# Altium PCB cyber60-alps-b2.PcbDoc (part 4 of 4)
Units mm, origin at the board's own origin, x right, y up, seen from the top; angles counter-clockwise.
Board outline 284.7 x 94.21 mm, 2 copper layers (Component Side, Bottom Layer), stack 1.571 mm thick; 225 components, 138 nets, 766 pads, 291 vias.
Unrouted connection lines stored in the file: 72.
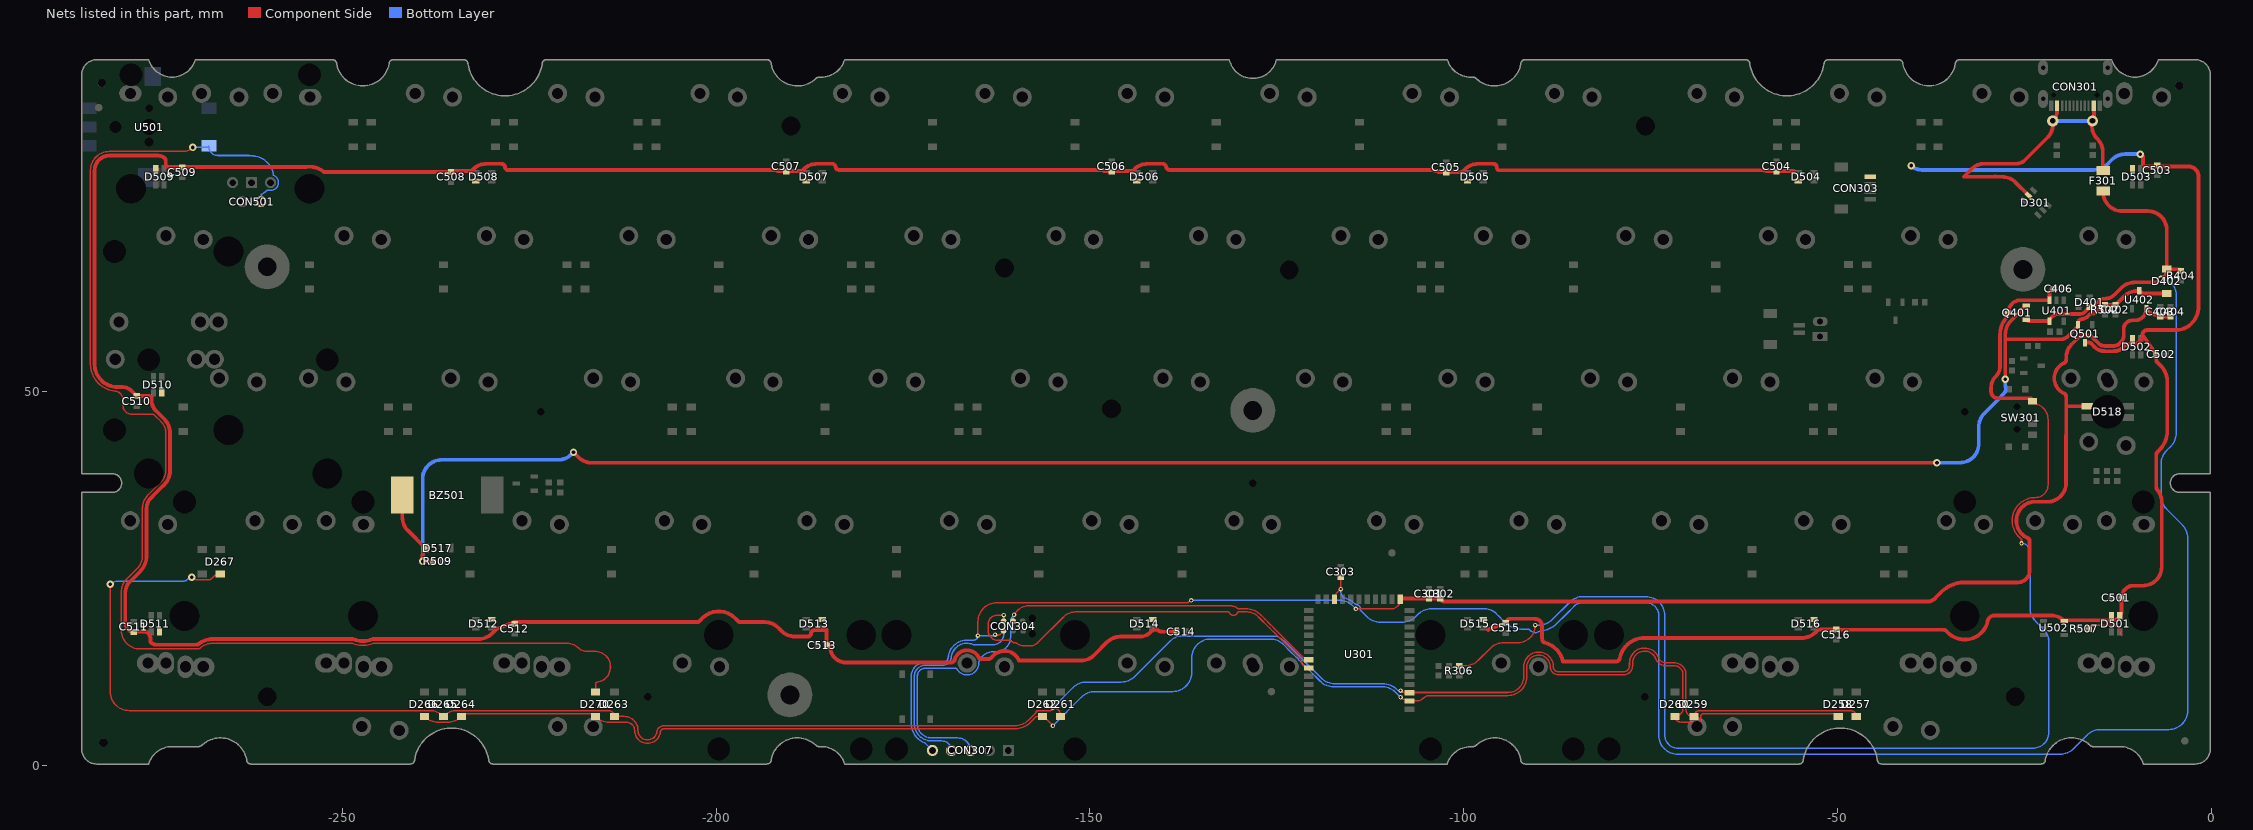
[diagram p4: the nets of this part, all layers, seen from the top]

## Via types
v1: diameter 1, hole 0.5, Component Side to Bottom Layer, tented both sides, 172 vias
v2: diameter 0.6, hole 0.3, Component Side to Bottom Layer, tented both sides, 113 vias
v3: diameter 1.5, hole 0.8, Component Side to Bottom Layer, tented both sides, 4 vias
v4: diameter 1.5, hole 0.75, Component Side to Bottom Layer, tented both sides, 2 vias

## Nets (pads, with @x,y where several pads share a name; then routed paths per layer and width w, separated by ;. In a path a pad name is that pad's centre, name@x,y a point inside that pad or via, vN(x,y) a via of type N, cw(c..) or ccw(c..) an arc to the next point about the centre after c; other vN are vias at no path point) (continued)
P1.10: D257.2 D259.2 D261.2 D263.2 D265.2 D267.2 U301.3 | length 292.7
  Component Side w0.203: v1(-281.051,24.257) -281.051,9.902 ccw(c-278.511,9.902) -278.511,7.362 -238.308,7.362 cw(c-238.308,4.822) -236.512,6.618 D265.2@-236.474,6.58 -236.414,6.64 cw(c-234.671,4.897) -234.671,7.362 -214.396,7.362 cw(c-214.396,6.58) D263.2@-213.614,6.58 -212.315,6.58 cw(c-212.315,4.715) -210.45,4.715 ccw(c-209.169,4.715) -207.916,4.449 cw(c-207.031,4.449) -207.889,4.666 cw(c-207.031,4.449) -207.031,5.334 -160.027,5.334 ccw(c-160.027,7.874) -158.231,6.078 -157.292,7.017 ccw(c-157.436,7.16) -157.274,7.038 ccw(c-157.436,7.16) -157.239,7.11 cw(c-156.947,7.035) -157.019,7.328 ccw(c-157.068,7.525) -156.953,7.358 -156.948,7.361 -155.326,7.361 ccw(c-155.326,7.747) v2(-154.94,7.747) cw(c-154.94,6.731) -153.924,6.731 D261.2@-153.924,6.58 ; v1(-270.117,25.196) ccw(c-269.278,26.035) -269.413,24.856 ccw(c-269.278,26.035) -269.278,24.848 -267.97,24.848 ccw(c-267.97,25.662) -267.395,25.086 -267.081,25.4 cw(c-266.526,24.845) -266.526,25.63 D267.2@-266.319,25.63 ; v2(-108.458,10.033) ccw(c-107.775,10.716) -107.775,9.75 U301.3@-107.25,9.75 ; U301.3@-107.25,9.779 -94.107,9.779 ccw(c-94.107,11.916) -92.337,10.718 ccw(c-94.107,11.916) -91.97,11.916 -91.97,13.335 cw(c-90.932,13.335) -91.917,13.662 ccw(c-92.11,13.726) -91.913,13.678 cw(c-89.993,13.215) -91.013,14.906 cw(c-89.993,13.215) -88.393,14.372 cw(c-89.993,13.215) -88.018,13.207 ccw(c-87.371,13.208) -87.966,12.954 ccw(c-87.371,13.208) -87.371,12.561 -78.604,12.561 ccw(c-78.604,13.335) -77.962,12.903 ccw(c-78.604,13.335) -77.83,13.335 -77.83,13.715 cw(c-75.819,13.715) -77.733,14.332 ; -77.427,14.922 ccw(c-75.819,13.715) -77.733,14.332 ; D257.2@-47.498,6.58 ccw(c-48.28,6.58) -48.28,7.362 -68.433,7.362 ccw(c-68.433,6.58) D259.2@-69.215,6.58 -69.37,6.58 cw(c-69.37,7.492) -70.282,7.492 -70.282,12.192 ccw(c-71.857,12.192) -71.857,13.767 -72.989,13.767 cw(c-72.991,14.776) -73.935,14.419 ccw(c-75.819,13.715) -77.733,14.333 cw(c-77.926,14.396) -77.733,14.332
  Bottom Layer w0.203: v1(-281.051,24.257) cw(c-280.079,23.285) -280.781,24.467 cw(c-280.079,23.285) -280.079,24.66 -275.96,24.66 cw(c-275.959,24.457) -275.954,24.66 ccw(c-275.85,28.265) -275.746,24.66 cw(c-275.741,24.457) -275.74,24.66 -271.302,24.66 ccw(c-271.302,25.511) -270.629,24.989 ccw(c-271.108,25.362) v1@-270.568,25.085 ; v2(-154.94,7.747) -152.255,10.432 cw(c-150.459,8.636) -150.459,11.176 -145.806,11.176 ccw(c-145.806,13.716) -144.01,11.92 -143.712,12.217 ccw(c-144.999,13.715) -143.517,12.411 cw(c-143.364,12.277) -143.508,12.42 -139.221,16.707 cw(c-137.711,15.196) -137.711,17.332 -125.565,17.332 cw(c-125.565,15.196) -124.416,16.997 cw(c-124.526,16.826) -124.333,16.891 ccw(c-124.18,17.025) -124.291,16.854 cw(c-125.899,14.389) -124.113,16.729 ccw(c-123.99,16.891) -124.092,16.715 cw(c-124.395,16.19) -123.975,16.627 cw(c-125.732,14.792) -123.934,16.587 -122.914,15.567 -122.534,15.186 -122.164,14.817 ccw(c-122.02,14.96) -122.142,14.797 cw(c-123.323,13.215) -121.741,14.397 ccw(c-121.578,14.518) -121.722,14.375 -119.035,11.688 ccw(c-117.239,13.484) -117.239,10.944 -110.843,10.944 cw(c-110.843,8.156) -108.871,10.127 -108.836,10.092 ccw(c-108.693,10.236) -108.693,10.033 v2(-108.458,10.033)
P1.11: D258.2 D260.2 D262.2 D264.2 D266.2 D270.2 U301.2 | length 221.4
  Component Side w0.203: D266.2@-239.014,6.58 -238.976,6.542 ccw(c-237.18,8.338) -237.18,5.798 -235.895,5.798 ccw(c-235.895,8.338) -234.099,6.542 D264.2@-234.061,6.58 cw(c-233.402,6.58) -234.01,6.835 cw(c-233.823,6.756) -233.822,6.959 -216.609,6.959 cw(c-216.609,6.542) -216.192,6.542 D270.2@-216.154,6.58 -216.116,6.542 ccw(c-214.32,8.338) -215.568,6.126 ccw(c-214.32,8.338) -214.32,5.798 -211.987,5.798 cw(c-211.987,4.715) -210.904,4.715 ccw(c-209.169,4.715) -207.454,4.455 cw(c-206.977,4.455) -207.44,4.566 cw(c-206.977,4.455) -206.977,4.931 -160.027,4.931 ccw(c-160.027,7.874) -159.215,5.045 -159.212,5.046 ccw(c-160.027,7.874) -157.945,5.794 -157.232,6.506 cw(c-157.089,6.363) -157.11,6.565 cw(c-156.833,4.04) -156.833,6.58 D262.2@-156.337,6.58 -156.182,6.58 v2(-154.94,5.338) ; -207.434,4.571 -207.434,4.59 ; v2(-108.458,9.144) ccw(c-107.265,10.337) -107.265,8.65 -106.296,8.65 ccw(c-106.296,9.903) -105.41,9.017 cw(c-104.544,8.151) -104.544,9.376 -94.107,9.376 ccw(c-94.107,11.916) -91.567,11.916 -91.567,13.335 cw(c-90.932,13.335) -91.531,13.547 ccw(c-91.722,13.614) -91.524,13.569 cw(c-89.993,13.215) -89.834,14.778 cw(c-89.993,13.215) -88.421,13.208 ccw(c-87.371,13.208) -87.511,12.168 ccw(c-87.371,13.208) -87.371,12.158 -78.604,12.158 ccw(c-78.604,13.335) -77.678,12.609 ccw(c-78.604,13.335) -77.427,13.335 -77.427,13.715 cw(c-75.819,13.715) -77.35,14.207 cw(c-75.819,13.715) -74.313,14.277 ccw(c-72.991,14.776) -73.312,13.401 cw(c-73.359,13.203) -73.28,13.39 cw(c-73.284,13.187) -73.247,13.387 ccw(c-72.991,14.776) -73.038,13.364 ccw(c-72.991,14.776) -72.991,13.364 -71.857,13.364 cw(c-71.857,12.192) -71.269,13.205 cw(c-71.857,12.192) -70.685,12.192 -70.685,7.65 cw(c-71.755,7.65) -71.587,6.593 cw(c-71.755,7.65) D260.2@-71.755,6.58 ccw(c-70.998,6.58) -70.998,5.823 -68.605,5.823 ccw(c-68.605,6.125) -68.303,6.125 -68.303,6.58 cw(c-67.925,6.58) -67.925,6.959 -50.166,6.959 cw(c-50.165,6.756) -49.993,6.863 cw(c-50.443,6.58) D258.2@-49.911,6.58 D258.2@-49.911,6.477
  Bottom Layer w0.203: v2(-154.94,5.338) -151.116,9.162 cw(c-149.32,7.366) -149.32,9.906 -138.938,9.906 ccw(c-138.938,12.446) -136.398,12.446 -136.398,14.389 cw(c-133.858,14.389) -133.858,16.929 -125.899,16.929 cw(c-125.899,14.389) -124.319,16.378 cw(c-124.395,16.19) -124.253,16.335 cw(c-125.732,14.792) -124.22,16.302 -124.105,16.188 -123.198,15.281 -122.427,14.51 ccw(c-122.283,14.653) -122.403,14.489 cw(c-123.323,13.215) -122.05,14.136 ccw(c-121.885,14.255) -122.029,14.111 -120.621,12.704 -119.202,11.285 ccw(c-117.406,13.081) -117.406,10.541 -110.843,10.541 cw(c-110.843,8.156) -109.157,9.842 v2(-108.458,9.144)
RAW: CON301.A4B9 CON301.B4A9 CON303.1 D301.5 F301.2 | length 40.2
  Component Side w0.5: D301.5@-24.467,76.283 -26.19,78.006 ccw(c-27.986,76.21) -27.986,78.75 cw(c-27.986,79.25) -28.013,78.751 -28.903,78.8 ccw(c-28.956,77.851) -28.972,78.801 -32.258,78.75 -33.125,78.75 -32.101,79.774 cw(c-30.305,77.978) -30.305,80.518 -26.035,80.518 ccw(c-26.035,82.051) -24.951,80.967 -21.953,83.965 ccw(c-23.749,85.761) -21.209,85.761 v4(-21.209,86.233) ccw(c-22.559,87.583) -20.65,87.583 CON301.B4A9@-20.65,88 ; v4@-16.002,85.634 ccw(c-13.462,85.634) -15.258,83.838 cw(c-17.033,82.063) -14.523,82.063 F301.2@-14.523,79.582 ; v4@-15.7,86.535 CON301.A4B9@-15.7,88
  Bottom Layer w0.5: v4(-21.209,86.233) v4@-16.002,86.233
  other v4: -15.9,86.233
ROT_SW_A1: CON501.1 D270.1 U501.1 | length 176.7
  Component Side w0.203: -280.257,50.077 cw(c-280.035,53.721) -280.655,50.123 cw(c-280.035,53.721) -282.092,50.704 cw(c-280.035,53.721) -283.131,51.786 cw(c-280.035,53.721) -283.686,53.721 -283.686,79.61 cw(c-281.146,79.61) -281.146,82.15 -271.275,82.15 ccw(c-271.275,83.95) v1(-270.002,82.677) ; -280.256,50.076 cw(c-280.269,49.874) -280.209,50.068 cw(c-280.574,48.886) -279.337,48.886 -279.337,48.197 ccw(c-278.13,48.197) -278.13,46.99 -275.336,46.99 cw(c-275.336,45.339) -275.315,46.99 cw(c-275.317,46.787) -275.173,46.93 -274.189,45.946 cw(c-274.333,45.802) -274.187,45.945 ; -274.187,45.944 cw(c-275.59,44.541) -273.76,45.308 cw(c-275.59,44.541) -273.606,44.541 -273.606,39.406 cw(c-275.59,39.406) -274.188,38.002 -275.989,36.201 ccw(c-274.193,34.405) -276.733,34.405 -276.733,28.103 cw(c-279.273,28.103) -277.477,26.307 -278.831,24.953 ccw(c-277.035,23.157) -279.575,23.157 -279.575,18.14 ccw(c-277.035,18.14) -277.035,15.6 -269.538,15.6 ccw(c-269.538,16.664) -268.882,15.827 ccw(c-269.538,16.664) -268.88,15.829 cw(c-267.311,13.831) -267.311,16.371 -248.717,16.371 cw(c-248.716,16.168) -248.643,16.358 ccw(c-247.242,20.01) -245.841,16.358 cw(c-245.768,16.168) -245.767,16.371 -219.945,16.371 cw(c-219.945,14.243) -218.44,15.748 ccw(c-217.369,16.819) -217.369,15.304 -216.107,15.304 -216.102,15.302 ccw(c-216.018,15.487) -216.034,15.285 cw(c-216.199,13.215) -215.93,11.156 ccw(c-215.903,10.955) -216.107,10.959 -216.107,9.897 cw(c-216.154,9.897) D270.1@-216.154,9.85
  Bottom Layer w0.203: v1(-270.002,82.677) -268.082,82.677 ccw(c-268.082,82.915) U501.1@-267.844,82.915 ccw(c-266.336,82.915) -267.839,82.794 ccw(c-266.649,82.794) -267.53,81.994 ccw(c-266.649,82.794) -266.65,81.604 ; -266.649,81.604 -262.488,81.604 cw(c-262.488,81.401) -262.467,81.603 -261.834,81.538 cw(c-262.128,78.61) -259.618,80.147 cw(c-262.128,78.61) -259.205,78.958 cw(c-259.588,77.978) -258.568,77.723 cw(c-259.588,77.978) -259.522,76.928 cw(c-259.588,77.978) -259.902,76.974 ccw(c-259.963,76.781) -260.02,76.976 -260.025,76.971 cw(c-262.105,79.053) -260.761,76.435 ccw(c-260.668,76.254) -260.858,76.327 CON501.1@-260.858,75.438
SWDCLK: CON304.4 CON307.3 U301.31 | length 78.2
  Component Side w0.203: CON304.4@-160.274,19.304 cw(c-158.18,19.304) -158.18,21.398 -131.312,21.398 cw(c-131.312,20.493) -130.942,21.319 ccw(c-130.858,21.504) -130.846,21.302 cw(c-130.81,20.701) -130.385,21.126 ccw(c-130.021,21.49) -130.191,21.005 ccw(c-130.123,21.196) -130.109,20.993 cw(c-130.068,20.388) -130.067,20.995 -129.208,20.995 cw(c-129.208,18.052) -128.874,20.976 ; -128.874,20.976 cw(c-129.208,18.052) -127.127,20.133 -126.585,19.592 -125.979,18.986 -125.449,18.455 cw(c-125.592,18.311) -125.447,18.454 -124.807,17.814 -121.422,14.428 ccw(c-120.75,15.1) U301.31@-120.75,14.15
  Bottom Layer w0.203: CON307.3@-165.989,2.032 ccw(c-167.662,2.032) -167.662,3.705 -171.196,3.705 cw(c-171.196,5.585) -173.076,5.585 -173.076,11.961 cw(c-172.02,11.961) -172.02,13.017 -167.961,13.017 cw(c-167.96,12.813) -167.785,12.917 ccw(c-166.431,13.715) -164.92,13.284 ccw(c-166.431,13.715) -164.86,13.736 cw(c-164.656,13.739) -164.853,13.792 cw(c-162.963,13.284) -162.963,15.24 -162.56,15.24 ccw(c-162.56,17.178) -160.622,17.178 -160.622,19.047 cw(c-159.001,19.047) v2(-160.147,20.193)
SWDIO: CON304.2 CON307.4 U301.32 | length 84.9
  Component Side w0.203: CON304.2@-161.544,19.304 -161.541,19.307 v2(-161.541,20.13) -162.407,20.13 ccw(c-162.407,18.923) -163.613,18.923 -163.613,18.071 ccw(c-162.306,18.071) -162.931,16.923 ccw(c-162.306,18.071) -162.596,16.797 ccw(c-162.306,18.071) -162.306,16.764 -160.683,16.764 cw(c-160.682,16.561) -160.515,16.676 ccw(c-160.02,17.018) -159.965,16.419 cw(c-159.946,16.217) -159.828,16.382 ccw(c-158.645,18.034) -158.645,16.002 -158.052,16.002 ccw(c-158.052,17.534) -156.969,16.451 -153.572,19.848 cw(c-151.776,18.052) -151.776,20.592 -131.553,20.592 ; -131.551,20.592 cw(c-131.552,20.388) -131.364,20.467 ccw(c-130.81,20.701) -131.236,20.276 ccw(c-130.81,20.701) -131.235,20.275 ccw(c-130.81,20.701) -130.81,20.099 ccw(c-130.81,20.701) -130.242,20.503 -130.211,20.533 cw(c-130.068,20.388) -130.067,20.592 -129.208,20.592 cw(c-129.208,18.052) -127.412,19.848 -125.981,18.418 -125.092,17.529 -122.171,14.608 -122.027,14.464 -121.762,14.198 cw(c-121.905,14.054) -121.702,14.054 -121.702,13.8 ccw(c-121.4,13.8) -121.68,13.688 ccw(c-121.4,13.8) -121.611,13.584 cw(c-121.753,13.439) -121.585,13.553 ccw(c-121.031,13.932) -121.505,13.458 ; -121.505,13.457 -121.344,13.296 ccw(c-120.75,13.89) U301.32@-120.75,13.05 ccw(c-121.079,13.05) U301.32@-120.847,13.283
  Bottom Layer w0.203: CON307.4@-168.529,2.032 ccw(c-169.799,2.032) -169.799,3.302 -171.196,3.302 cw(c-171.196,5.585) -173.479,5.585 -173.479,11.961 cw(c-172.02,11.961) -172.02,13.42 -169.709,13.42 ccw(c-169.709,14.604) -168.546,14.38 cw(c-166.471,14.295) -165.604,16.182 -162.941,16.182 ccw(c-162.941,17.582) -161.541,17.582 v2(-161.541,20.13)
UG_OUT: D501.4 R507.1 | length 5.3
  Component Side w0.203: R507.1@-16.368,18.288 cw(c-15.142,17.062) -15.142,18.796 -13.446,18.796 cw(c-13.446,17.36) -12.01,17.36
VBAT: C406.2 Q401.3 R306.1 SW301.1 U401.3 | length 178
  Component Side w0.203: R306.1@-100.584,13.35 -99.843,13.35 ccw(c-99.843,15.89) -98.047,14.094 -96.439,15.702 cw(c-94.643,13.906) -94.647,16.446 cw(c-94.643,13.906) -94.643,16.446 -92.774,16.446 ccw(c-92.774,18.796) v2(-90.424,18.796) ; v2(-25.4,29.718) -25.4,30.275 ccw(c-25.57,30.165) -25.446,30.325 cw(c-23.556,32.765) -25.982,30.857 cw(c-23.556,32.765) -26.615,33.174 cw(c-23.556,32.765) -24.938,35.524 cw(c-23.556,32.765) -23.537,35.851 ccw(c-23.537,37.544) -21.844,37.544 -21.844,46.246 ccw(c-24.076,46.246) -23.439,48.385 ccw(c-24.076,46.246) SW301.1@-24.076,48.478
  Component Side w0.5: SW301.1@-23.925,48.75 ccw(c-24.324,48.75) -24.324,49.149 -28.575,49.149 cw(c-28.575,50.038) -29.464,50.038 -29.464,50.546 cw(c-27.318,50.546) -28.835,52.064 -28.829,52.07 ccw(c-30.205,53.446) -28.259,53.446 -28.259,57.696 cw(c-25.019,57.696) -27.323,59.974 ccw(c-27.678,60.326) -27.178,60.328 Q401.3@-27.178,60.579 cw(c-25.503,60.579) -25.503,62.254 -21.689,62.254 cw(c-21.689,62.216) U401.3@-21.651,62.216 -21.651,63.2 cw(c-21.097,63.2) C406.2@-21.097,63.754
  Bottom Layer w0.203: v2(-90.424,18.796) -89.952,18.796 ccw(c-89.952,21.336) -88.156,19.54 -85.834,21.862 cw(c-84.038,20.066) -84.038,22.606 -75.648,22.606 cw(c-75.648,20.066) -73.108,20.066 -73.108,15.113 -73.108,12.562 -73.108,7.366 -73.108,4.064 ccw(c-71.374,4.064) -73.102,3.931 ccw(c-71.374,4.064) -72.73,2.984 ccw(c-71.374,4.064) -72.73,2.983 ccw(c-71.374,4.064) -71.374,2.33 -23.876,2.33 ccw(c-23.876,4.467) -23.027,2.506 ccw(c-23.876,4.467) -21.739,4.467 -21.739,16.502 ccw(c-24.265,16.502) -22.479,18.288 -23.513,19.322 cw(c-21.717,21.118) -24.257,21.118 -24.257,28.575 ccw(c-25.4,28.575) v2(-25.4,29.718)
VBUS: C303.2 D401.1 D402.1 F301.1 Q401.1 R404.1 U301.22 U401.4 | length 244.8
  Component Side w0.203: U301.22@-117.3,22.25 cw(c-116.018,22.25) -116.925,23.156 v2(-116.459,23.622) C303.2@-116.459,25.258
  Component Side w0.5: Q401.1@-24.778,59.629 ccw(c-24.384,60.023) -24.751,59.604 ccw(c-24.384,60.023) -24.384,59.466 U401.4@-21.651,59.466 -21.651,59.691 -21.288,60.054 cw(c-20.413,59.178) -20.413,60.416 -17.526,60.416 ccw(c-17.526,61.225) -16.954,60.653 -16.281,61.326 D401.1@-16.256,61.326 ccw(c-16.256,62.516) -15.414,61.675 -15.222,61.867 ccw(c-15.575,62.221) -15.088,62.11 cw(c-14.649,62.01) -14.96,62.336 cw(c-14.649,62.01) -14.649,62.46 -14.224,62.46 ccw(c-14.224,64.242) -12.964,62.982 -12.047,63.899 cw(c-10.251,62.103) -10.251,64.643 -7.731,64.643 ccw(c-7.731,66.405) D402.1@-5.969,66.405 ; U401.4@-21.676,59.437 U401.4@-21.651,59.412 ; F301.1@-14.478,76.882 -14.478,76.708 ccw(c-11.938,76.708) -11.938,74.168 -8.509,74.168 cw(c-8.509,71.628) -6.241,72.771 cw(c-8.509,71.628) -5.969,71.628 D402.1@-5.969,66.405 ; D402.1@-5.969,66.405 -4.602,66.405 ; -4.602,66.405 cw(c-4.602,65.644) R404.1@-4.192,66.285 ; -4.602,66.405 -4.312,66.405 R404.1@-4.192,66.285 ; R404.1@-4.192,66.285 cw(c-4.602,65.644) R404.1@-4.064,66.182 -4.089,66.182 R404.1@-4.192,66.285
  Bottom Layer w0.203: v2(-116.459,23.622) -116.459,23.353 ccw(c-115.286,23.353) -116.064,22.475 ccw(c-115.928,22.627) -115.973,22.429 cw(c-116.622,19.558) -115.287,22.181 cw(c-116.622,19.558) -115.286,22.181 cw(c-116.622,19.558) -115.136,22.098 cw(c-116.622,19.558) -115.135,22.098 cw(c-116.622,19.558) -114.542,21.64 -114.516,21.614 ccw(c-114.372,21.758) -114.386,21.555 cw(c-114.427,20.955) -113.828,20.896 ccw(c-113.626,20.876) -113.77,20.732 -112.958,19.921 ccw(c-111.162,21.717) -111.162,19.177 -108.24,19.177 ccw(c-108.24,21.717) -106.444,19.921 -106.132,20.233 cw(c-104.336,18.437) -104.336,20.977 -97.189,20.977 cw(c-97.189,18.84) -95.677,20.35 -95.258,19.931 -94.75,19.423 -94.45,19.124 ccw(c-92.373,21.209) -92.373,18.266 -91.385,18.266 cw(c-91.384,18.063) -91.222,18.186 ccw(c-90.424,18.796) -89.865,17.961 cw(c-89.752,17.792) -89.764,17.995 ccw(c-89.952,21.336) -87.587,18.969 -86.234,20.321 -85.263,21.293 cw(c-84.038,20.066) -84.038,21.8 -75.811,21.8 cw(c-75.811,19.26) -74.907,21.633 cw(c-75.648,20.066) -73.996,20.594 cw(c-75.648,20.066) -73.914,20.066 -73.914,4.064 ccw(c-71.374,4.064) -71.374,1.524 -20.229,1.524 ccw(c-20.229,4.064) -18.433,2.268 -16.619,4.082 cw(c-14.823,2.286) -14.823,4.826 -5.715,4.826 ccw(c-5.715,7.366) -3.175,7.366 -3.175,30.444 ccw(c-5.715,30.444) -3.919,32.24 -5.987,34.308 cw(c-4.191,36.104) -6.731,36.104 -6.731,40.35 cw(c-4.191,40.35) -5.987,42.146 -5.443,42.69 ccw(c-7.239,44.486) -4.699,44.486 -4.699,62.992 ccw(c-6.731,62.992) v1(-6.731,65.024)
VCC3V3: C301.2 C302.2 C403.2 C404.2 CON304.1 CON307.5 D518.4 U301.14 U402.2 | length 233.1
  Component Side w0.203: v2(-164.973,17.399) -164.973,19.261 cw(c-162.433,19.261) -162.433,21.801 -137.668,21.801 -136.96,21.801 ccw(c-136.96,22.004) -136.883,21.816 ccw(c-137.381,23.018) v2(-136.462,22.098) ; v2@-162.56,17.399 ccw(c-162.56,18.319) -162.194,17.475 ccw(c-162.56,18.319) -161.91,17.668 CON304.1@-161.544,18.034 ; v2(-114.427,20.955) -109.795,20.955 ccw(c-109.795,22.337) U301.14@-108.413,22.337 ; -19.431,44.196 ccw(c-19.407,44.196) -19.407,44.172
  Component Side w0.5: -19.431,44.196 -19.431,48.006 cw(c-19.372,48.006) -19.372,48.065 ; D518.4@-16.157,48.065 -19.372,48.065 ; -12.027,56.725 -12.32,56.432 cw(c-13.025,57.138) -13.025,56.14 -14.322,56.14 cw(c-14.322,57.179) -15.057,56.444 -15.819,57.206 ccw(c-16.613,56.412) -16.613,57.535 -17.166,57.535 ccw(c-17.166,57.085) -17.335,57.502 cw(c-17.524,57.965) -17.376,57.487 ccw(c-17.059,56.457) -17.822,57.219 -18.687,56.354 ccw(c-16.891,54.558) -19.431,54.558 -19.431,54.293 cw(c-19.931,54.291) -19.722,53.837 ccw(c-18.794,51.815) -19.722,49.793 cw(c-19.931,49.339) -19.431,49.337 -19.431,48.124 ccw(c-19.372,48.124) -19.372,48.065 ; -12.027,56.725 ccw(c-12.72,57.418) -11.74,57.418 -11.74,58.39 cw(c-11.29,58.39) -11.739,58.426 ccw(c-12.237,58.467) -11.738,58.437 cw(c-10.541,58.364) -11.631,58.863 cw(c-10.541,58.364) -10.541,59.563 -10.226,59.563 ccw(c-10.226,61.087) U402.2@-8.702,61.087 -8.383,60.768 ccw(c-6.995,62.156) -6.995,60.193 C403.2@-6.858,60.056 C404.2@-5.461,60.056
  Component Side w0.508: U301.14@-108.413,22.337 C301.2@-104.648,22.337 C302.2@-103.124,22.337 ccw(c-102.632,22.462) -102.632,21.954 -100.33,21.954 -37.889,21.954 ccw(c-37.889,23.132) -37.056,22.299 -37.053,22.302 ; -35.416,23.794 cw(c-32.943,19.931) -33.202,24.51 cw(c-32.943,19.931) -33.187,24.511 -25.892,24.511 ccw(c-25.892,26.092) -24.311,26.092 -24.311,30 ccw(c-24.819,30.001) -24.608,30.463 cw(c-23.556,32.765) -25.611,31.289 cw(c-23.556,32.765) -24.51,35.109 cw(c-23.556,32.765) -23.541,35.295 -22.096,35.288 -21.971,35.288 ccw(c-21.971,37.828) -19.431,37.828 -19.431,44.196 ; -34.502,24.242 ccw(c-32.994,20.01) -36.257,23.098 cw(c-36.626,23.447) -36.267,23.088 -36.713,22.642 ; -37.053,22.302 -36.713,22.642 ; -37.053,22.302 -36.713,22.642
  Bottom Layer w0.203: CON307.5@-171.069,2.032 -172.056,3.019 ccw(c-172.2,2.876) -172.129,3.066 cw(c-171.196,5.585) -172.747,3.392 cw(c-171.196,5.585) -173.882,5.585 -173.882,11.961 cw(c-172.02,11.961) -172.02,13.823 -169.709,13.823 ccw(c-169.709,14.604) -169.097,14.118 ccw(c-169.709,14.604) -168.952,14.41 ccw(c-169.149,14.461) -168.946,14.449 cw(c-166.471,14.295) -168.536,15.668 cw(c-166.471,14.295) -166.5,16.774 ; -166.5,16.774 cw(c-166.471,14.295) -166.442,16.774 -165.598,16.774 ccw(c-165.598,17.399) v2(-164.973,17.399) -162.814,17.399 v2(-162.687,17.526) ; v2(-136.462,22.098) -116.622,22.098 cw(c-116.622,19.558) -114.826,21.354 v2(-114.427,20.955)
VCC_EXT: C501.2 C502.2 C503.2 C504.2 C505.2 C506.2 C507.2 C508.2 C509.2 C510.2 C511.2 C512.2 C513.2 C514.2 C515.2 C516.2 D501.1 D502.1 D503.1 D504.1 D505.1 D506.1 D507.1 D508.1 D509.1 D510.1 D511.1 D512.1 D513.1 D514.1 D515.1 D516.1 Q501.3 U502.5 | length 667.5
  Component Side w0.508: C508.2@-235.458,79.39 C508.2@-235.851,79.39 ; -185.227,18.21 -185.227,18.127 ; -144.29,79.54 -147.066,79.54 -148.051,79.54 cw(c-148.051,80.048) -148.052,79.54 cw(c-148.051,80.048) -148.197,79.562 ccw(c-148.911,77.195) -148.911,79.667 -149.225,79.667 -183.525,79.667 cw(c-183.525,80.175) -184.027,80.104 ccw(c-184.477,80.04) -184.477,80.494 -186.501,80.494 ccw(c-186.501,77.954) -188.297,79.75 -188.507,79.54 -190.627,79.54 -191.712,79.54 cw(c-191.712,80.048) -191.714,79.54 cw(c-191.712,80.048) -191.866,79.564 ccw(c-192.531,77.471) -192.531,79.667 -227.973,79.667 cw(c-227.734,80.115) -228.24,80.075 ccw(c-228.693,80.04) -228.693,80.494 -230.717,80.494 ccw(c-230.717,77.954) -232.513,79.75 -232.723,79.54 -235.096,79.54 ccw(c-235.096,77.562) C508.2@-235.851,79.39 ; -144.08,79.75 cw(c-142.284,77.954) -142.284,80.494 -140.26,80.494 cw(c-140.26,80.04) -139.81,80.104 ccw(c-139.308,80.175) -139.308,79.667 -108.712,79.667 -104.428,79.667 cw(c-104.428,77.164) -103.641,79.54 cw(c-104.428,77.164) -103.327,79.412 ccw(c-103.104,79.868) -103.104,79.36 C505.2@-102.362,79.36 -100.508,79.36 ccw(c-100.508,79.975) -100.073,79.54 ; C514.2@-138.445,17.907 -140.278,17.907 cw(c-140.278,18.942) -141.01,18.21 ccw(c-141.01,16.892) -141.142,18.203 ccw(c-141.01,16.892) -141.942,17.824 cw(c-143.313,19.195) -143.313,17.256 -145.903,17.256 ccw(c-145.903,14.716) -147.683,16.528 ccw(c-145.903,14.716) -147.699,16.512 -149.421,14.79 cw(c-151.217,16.586) -151.217,14.046 -159.473,14.046 ccw(c-161.431,13.215) -161.216,15.331 ccw(c-161.431,13.215) -163.143,14.477 cw(c-163.552,14.779) -163.552,14.271 -164.469,14.271 cw(c-164.469,14.779) -164.915,14.537 ccw(c-166.431,13.715) -168.118,14.071 -168.19,13.982 cw(c-168.584,14.303) -168.584,13.795 -170.447,13.795 -182.651,13.795 cw(c-182.651,15.875) -184.705,15.548 cw(c-182.651,15.875) -184.721,15.675 ccw(c-185.227,15.627) C513.2@-185.151,16.129 cw(c-184.968,16.312) -185.227,16.312 -185.227,18.127 ; -99.863,79.75 cw(c-98.067,77.954) -98.067,80.494 -96.043,80.494 cw(c-96.043,80.04) -95.589,80.05 ccw(c-95.081,80.061) -95.367,79.642 -60.232,79.642 cw(c-60.232,77.164) -59.591,79.557 ccw(c-59.46,80.048) -59.462,79.54 ccw(c-59.46,80.048) -59.46,79.54 -58.166,79.54 -55.857,79.54 ; -96.726,18.146 cw(c-95.486,19.517) -96.793,18.21 C515.2@-94.361,19.065 cw(c-93.793,19.065) -93.793,19.633 -90.456,19.633 cw(c-90.456,19.611) -90.434,19.611 cw(c-90.434,18.712) -90.055,19.527 cw(c-90.434,18.712) -89.535,18.712 -89.535,17.303 ccw(c-87.088,17.303) -89.489,16.832 ccw(c-88.99,16.927) -89.123,16.436 cw(c-89.993,13.215) -87.088,14.856 cw(c-89.993,13.215) -86.732,13.923 -79.629,13.923 ccw(c-79.634,14.431) -79.134,14.338 cw(c-75.819,13.715) -78.958,14.95 ccw(c-79.43,15.138) -78.957,14.952 cw(c-75.819,13.715) -78.711,15.451 cw(c-75.819,13.715) -76.099,17.077 ; -76.098,17.077 cw(c-75.819,13.715) -75.558,17.078 ccw(c-75.519,17.585) -75.519,17.077 -56.261,17.077 -54.763,17.077 ccw(c-54.763,19.617) -52.966,17.821 -52.577,18.21 -50.165,18.202 -37.338,18.162 -35.802,18.162 cw(c-35.801,17.654) -35.412,17.982 ccw(c-32.994,20.01) -30.262,18.43 cw(c-29.822,18.176) -30.261,18.432 ; -30.652,17.895 ccw(c-32.994,20.01) -30.261,18.432 ; Q501.3@-16.891,56.585 -16.404,56.585 cw(c-16.404,56.077) -16.044,56.435 -15.555,55.946 ccw(c-14.322,57.179) -14.44,55.44 ccw(c-14.322,57.179) -14.322,55.436 -13.025,55.436 ccw(c-13.025,57.138) -12.909,55.44 ccw(c-13.025,57.138) -11.924,55.841 ccw(c-13.025,57.138) -11.822,55.935 -11.529,56.227 ccw(c-12.72,57.418) -11.436,56.329 cw(c-11.048,56) -11.376,56.388 -10.462,56.388 ccw(c-10.462,57.64) -9.21,57.64 ; v1(-9.525,81.788) cw(c-9.525,81.419) -9.156,81.419 -9.156,80.23 ccw(c-8.96,80.389) -8.96,80.137 -3.048,80.137 cw(c-3.048,78.819) -1.73,78.819 -1.73,61.341 cw(c-4.826,61.341) -2.908,58.911 cw(c-4.826,61.341) -4.826,58.245 -8.605,58.245 ccw(c-8.605,57.64) -9.21,57.64 ; -6.645,34.716 -6.645,26.603 cw(c-9.185,26.603) -9.185,24.063 -10.386,24.063 ccw(c-10.386,22.439) -12.01,22.439 -12.01,20.64 cw(c-13.219,20.64) -12.903,19.473 ccw(c-12.77,18.983) -12.939,19.462 cw(c-13.09,19.89) -13.09,19.436 ccw(c-13.088,18.928) -13.127,19.435 cw(c-13.219,20.64) -13.219,19.431 -19.71,19.431 cw(c-20.436,19.365) U502.5@-19.707,19.365 ccw(c-21.467,17.605) -21.467,20.094 -28.959,20.094 ccw(c-28.959,19.073) -29.815,19.631 ccw(c-29.39,19.352) -29.889,19.444 cw(c-32.994,20.01) -29.98,19.075 cw(c-32.994,20.01) -29.981,19.073 cw(c-32.994,20.01) -30.261,18.432 ; -6.643,35.057 ccw(c-9.118,35.25) -6.645,35.462 ccw(c-9.118,35.25) -7.242,36.876 cw(c-6.858,37.209) -7.366,37.209 -7.366,41.597 cw(c-6.858,41.597) -7.217,41.956 -6.953,42.221 ccw(c-9.498,44.767) -6.611,42.615 ccw(c-9.498,44.767) -5.898,44.767 -5.896,48.132 -5.894,51.31 ccw(c-9.031,51.315) -6.186,52.636 ccw(c-9.031,51.315) -6.865,53.584 -7.224,53.927 cw(c-6.873,54.294) -7.381,54.294 C502.2@-7.381,54.991 -9.21,57.64 ; C508.2@-235.851,79.39 -252.264,79.39 cw(c-252.264,79.898) -252.575,79.496 ccw(c-254.381,77.16) -253.907,80.074 ccw(c-254.381,77.16) -254.819,80.08 cw(c-254.895,80.582) -254.821,80.08 cw(c-254.895,80.582) -254.895,80.074 -271.399,80.074 -273.294,80.074 cw(c-273.294,80.39) -273.61,80.39 -273.61,80.921 ccw(c-274.022,80.921) -273.731,81.212 ccw(c-274.652,80.291) -274.652,81.594 -281.146,81.594 ccw(c-281.146,79.61) -282.721,80.817 ccw(c-281.146,79.61) -283.131,79.61 -283.131,53.721 ccw(c-280.035,53.721) -280.035,50.625 -279.4,50.625 cw(c-279.4,48.941) -278.209,50.132 C510.2@-277.495,49.418 -275.806,49.418 cw(c-275.806,48.971) -275.49,49.287 -275.49,48.79 ccw(c-273.663,48.79) -274.955,47.498 -273.794,46.337 cw(c-275.59,44.541) -273.05,44.541 -273.05,39.406 cw(c-275.59,39.406) -273.794,37.61 -274.383,37.02 -274.974,36.43 -275.595,35.809 ccw(c-274.193,34.405) -276.177,34.405 -276.177,28.103 cw(c-279.273,28.103) -276.964,26.041 cw(c-279.273,28.103) -277.083,25.915 -278.438,24.56 ccw(c-277.035,23.157) -279.019,23.157 -279.019,19.035 ccw(c-277.876,19.035) C511.2@-277.876,17.892 -276.322,17.892 cw(c-276.322,17.36) -275.79,17.36 cw(c-276.085,17.065) -275.668,17.065 -275.668,16.519 ccw(c-274.791,17.396) -274.791,16.156 -274.066,16.156 -269.538,16.156 ccw(c-269.538,16.664) -269.224,16.265 cw(c-267.311,13.831) -268.833,16.527 cw(c-267.311,13.831) -267.311,16.927 -248.669,16.927 cw(c-248.669,16.419) -248.481,16.891 ccw(c-247.242,20.01) -246.003,16.891 cw(c-245.815,16.419) -245.814,16.927 -231.778,16.927 ccw(c-231.778,19.467) -231.541,16.938 ccw(c-231.778,19.467) -229.982,17.671 -229.443,18.21 -228.236,18.711 -227.982,18.816 -227.727,18.922 -227.076,19.192 -202.557,19.192 ccw(c-202.557,19.7) -202.154,19.391 cw(c-199.649,17.47) -197.145,19.391 ccw(c-196.742,19.7) -196.742,19.192 -193.489,19.192 cw(c-193.489,16.652) -191.693,18.448 -191.524,18.28 -191.297,18.053 ccw(c-189.432,19.923) -191.276,18.032 cw(c-191.631,17.668) -191.261,18.016 ccw(c-189.465,19.812) -189.465,17.272 -189.433,17.272 cw(c-189.432,16.764) -189.339,17.264 ccw(c-189.257,17.71) -189.257,17.256 -187.757,17.256 ccw(c-187.757,17.71) -187.442,17.383 ccw(c-187.757,17.71) -187.305,17.667 cw(c-186.799,17.619) -186.799,18.127 -185.227,18.127
  Bottom Layer w0.508: v1(-40.154,80.259) ccw(c-38.748,81.665) -38.748,79.677 -15.737,79.677 ccw(c-15.737,82.217) -13.94,80.421 -13.317,81.044 cw(c-11.521,79.248) -11.521,81.788 v1(-9.525,81.788)
VSYS: BZ501.1 C402.2 D402.2 D517.2 Q401.2 Q501.2 R502.2 R509.1 U402.3 | length 278.7
  Component Side w0.5: v1(-219.075,41.91) -218.409,41.244 ccw(c-216.613,43.04) -216.613,40.5 v1@-36.703,40.5 ; v1@-27.686,51.689 v1(-27.559,51.689) ; v1@-27.559,52.175 -27.559,57.696 cw(c-25.019,57.696) -26.815,59.492 -25.926,60.381 ; -27.432,57.023 -20.193,57.023 ccw(c-20.193,58.508) -19.143,57.458 -17.841,58.76 cw(c-17.802,58.76) Q501.2@-17.83,58.787 ; -26.035,60.265 cw(c-24.13,58.585) -25.926,60.381 ; Q401.2@-24.778,61.529 -25.926,60.381 ; Q501.2@-17.841,58.985 -17.841,59.112 cw(c-17.202,59.112) -17.523,59.665 cw(c-17.272,59.232) -17.335,59.728 ccw(c-17.526,61.225) -17.202,59.751 ccw(c-17.526,61.225) -16.461,60.156 ccw(c-17.526,61.225) -16.459,60.158 -16.288,60.33 cw(c-15.934,59.976) -16.287,60.33 cw(c-15.934,59.976) -15.934,60.476 -15.831,60.476 ccw(c-15.831,60.926) -15.513,60.607 -15.255,60.866 cw(c-13.458,59.07) -13.458,61.61 C402.2@-12.827,61.61 -11.694,62.743 cw(c-9.898,60.947) -11.47,62.942 cw(c-9.898,60.947) -9.898,63.487 U402.3@-9.652,63.487 ccw(c-8.802,64.337) -8.802,63.135 D402.2@-5.969,63.135
  Component Side w0.508: BZ501.1@-241.966,36.195 -241.966,33.23 ccw(c-239.426,33.23) -241.222,31.434 D517.2@-238.871,29.083 ccw(c-237.949,28.161) -239.253,28.161 v1(-239.253,27.305) R509.1@-237.886,27.305
  Bottom Layer w0.5: v1(-239.253,27.305) -239.253,38.354 cw(c-236.713,38.354) -236.713,40.894 -221.143,40.894 ccw(c-221.143,43.434) -219.347,41.638 v1(-219.075,41.91) ; v1@-36.322,40.513 -33.655,40.513 ccw(c-33.655,43.053) -31.115,43.053 -31.115,45.303 cw(c-28.575,45.303) -30.371,47.099 -28.303,49.167 ccw(c-30.099,50.963) -27.999,49.535 cw(c-27.585,49.254) -27.883,49.656 ccw(c-28.448,50.419) -27.54,50.697 cw(c-27.061,50.843) -27.561,50.863 ccw(c-30.099,50.963) -27.559,50.963 v1(-27.559,51.689)
  other v1: -36.703,40.513
pads on no net: CON301. CON301.A8 CON301.B8 CON304.0 CON304.6 D301.1 D301.6 D516.2 D518. FID1.0 FID2.0 FID3.0 FID4.0 S201. S202. S203. S204. S205. S206. S207. S208. S209. S210. S211. S212. S213. S214. S215. S216. S217. S218. S219. S220. S221. S222. S223. S224. S225. S226. S227. S228. S229. S230. S231. S232. S233. S234. S235. S236. S237. S238. S239. S240. S241. S242. S243. S244. S245. S246. S247. S248. S249. S250. S251. S252. S253. S254. S255. S256. S257. S258. S259. S260. S261. S262. S263. S264. S265. S266. S267. SW301. SW301.3 U301.10 U501. U501.M

## Polygon pours and split planes (outlines as drawn)
GND on Bottom Layer "Component Side-No Net" (solid, remove dead copper, shelved, pour order 4): -0.635,93.995 -0.635,0.65 -284.48,0.65 -284.48,93.995
GND on Component Side "Component Side-No Net" (solid, remove dead copper, shelved, pour order 8): -0.635,93.995 -0.635,0.65 -284.48,0.65 -284.48,93.995

## Other copper
Component Side:
  pour cut-out: -150.114,-0.762 ccw(c-149.987,-0.762) -149.987,-0.889 -77.597,-0.889 ccw(c-77.597,-0.762) -77.47,-0.762 -77.47,5.842 ccw(c-78.867,5.842) -78.867,7.239 -148.717,7.239 ccw(c-148.717,5.842) -150.114,5.842
Bottom Layer:
  pour cut-out: -150.114,-0.762 ccw(c-149.987,-0.762) -149.987,-0.889 -77.597,-0.889 ccw(c-77.597,-0.762) -77.47,-0.762 -77.47,5.842 ccw(c-78.867,5.842) -78.867,7.239 -148.717,7.239 ccw(c-148.717,5.842) -150.114,5.842

## Silkscreen, mask and mechanical layers (free items; w line width, h text height)
Top Overlay:
  drawing of 18 lines, arcs and shapes, not listed
  text "ROT A" at -265.176,83.312 h0.75 r270
  text "ROT C" at -262.636,83.312 h0.75 r270
  text "ROT B" at -260.096,83.312 h0.75 r270
  text "ROT SW" at -264.16,72.898 h0.75
  text "+" at -50.071,61.364 h1.54 r270
  text "+" at -62.968,58.988 h1.5
  text "3.7V LiPo" at -50.673,57.658 h1.3
  text "-" at -63.018,56.488 h1.5
  text "-" at -49.817,54.76 h1.54
  text "BAT" at -57.277,54.483 h0.75
  text "ON  | OFF" at -30.099,50.022 h0.75 r270
  text "Pull up to / connect battery" at -31.75,38.354 h0.75
  text "1: DIO - 2: 3V3 / 3: RST - 4: CLK / 5: GND - 6: NC" at -154.813,22.098 h0.75
  text "2" at -161.671,21.336 h0.75
  text "6" at -159.131,21.336 h0.75
  text "JLCJLCJLCJLC" at -112.141,20.447 h1.2 r270
  text "1" at -161.671,15.367 h0.75
  text "5" at -159.004,15.367 h0.75
  text "DIO" at -168.783,5.842 h0.75 r270
  text "CLK" at -166.37,5.842 h0.75 r270
  text "RST" at -163.83,5.842 h0.75 r270
  text "GND" at -161.29,5.842 h0.75 r270
  text "3V3" at -172.212,3.937 h0.75
  text "cyber60" at -143.147,3.374 h5
  text "ALPS" at -127,3.302 h2
  text "by 4pplet" at -131.572,1.397 h2
  text "Rev B2" at -143.129,1.27 h2
Bottom Overlay:
  lines w0.2: -264.668,76.708 -264.668,74.168 -259.588,74.168 -259.588,76.708 ; -265.938,76.708 -258.318,76.708 -258.318,79.248 -265.938,79.248 -265.938,76.708 ; -172.339,0.762 -159.639,0.762 -159.639,3.302 -172.339,3.302 -172.339,0.762 ; -53.848,56.261 -53.848,60.452 -50.8,60.452 -50.8,60.071 -50.8,56.261 -53.848,56.261
  text "ROT A" at -264.414,83.312 h0.75 r90
  text "ROT C" at -261.874,83.312 h0.75 r90
  text "ROT B" at -259.334,83.312 h0.75 r90
  text "ROT SW" at -259.969,72.898 h0.75
  text "+" at -55.221,58.623 h1.5
  text "-" at -55.245,56.654 h1.5
  text "BAT" at -51.435,54.991 h0.75
  text "DIO" at -168.021,5.842 h0.75 r90
  text "CLK" at -165.608,5.842 h0.75 r90
  text "RST" at -163.068,5.842 h0.75 r90
  text "GND" at -160.528,5.842 h0.75 r90
  text "3V3" at -170.18,3.937 h0.75
outline:
  lines w0.1: -131.361,94.414 ccw(c-128.211,95.149) -125.061,94.415 ; -131.361,94.415 -182.809,94.415 cw(c-185.924,95.339) -185.925,92.09 -186.179,92.09 ccw(c-186.18,91.366) -186.692,91.878 cw(c-189.125,94.471) -192.625,93.844 ccw(c-193.195,93.845) -193.196,94.415 -222.695,94.415 ccw(c-222.696,93.845) -223.266,93.844 cw(c-228.225,94.614) -233.184,93.844 ccw(c-233.754,93.845) -233.755,94.415 -243.178,94.415 ccw(c-243.179,93.845) -243.749,93.844 cw(c-247.249,94.471) -250.749,93.844 ccw(c-251.319,93.845) -251.32,94.415 -269.659,94.415 cw(c-272.775,95.341) -275.891,94.415 -282.85,94.415 ccw(c-282.849,92.414) -284.85,92.415 -284.85,39.215 -284.85,39.04 -280.759,39.04 cw(c-280.759,37.79) -280.759,36.54 -284.85,36.54 -284.85,2.215 ccw(c-282.849,2.216) -282.85,0.215 -275.891,0.215 cw(c-272.776,-0.709) -272.775,2.54 -269.318,2.54 ccw(c-269.319,3.455) -268.672,2.808 cw(c-266.3,0.158) -262.799,0.786 ccw(c-262.229,0.785) -262.228,0.215 -240.884,0.215 ccw(c-240.885,0.772) -240.328,0.771 cw(c-235.369,0.001) -230.41,0.771 ccw(c-229.853,0.772) -229.854,0.215 -193.196,0.215 ccw(c-193.195,0.785) -192.625,0.786 cw(c-189.125,0.16) -186.682,2.743 ccw(c-186.19,3.237) -186.193,2.54 -185.925,2.54 cw(c-185.924,-0.709) -182.809,0.215 -102.203,0.215 ; -125.061,94.415 -102.191,94.415 ccw(c-99.076,95.339) -99.075,92.09 -98.849,92.09 cw(c-98.85,91.29) -98.285,91.856 ccw(c-95.875,94.471) -92.375,93.844 cw(c-91.805,93.845) -91.804,94.415 -62.305,94.415 cw(c-62.304,93.845) -61.734,93.844 ccw(c-56.775,94.615) -51.816,93.844 cw(c-51.246,93.845) -51.245,94.415 -41.822,94.415 cw(c-41.821,93.845) -41.251,93.844 ccw(c-37.751,94.471) -34.251,93.844 cw(c-33.681,93.845) -33.68,94.415 -13.341,94.415 ccw(c-10.225,95.341) -7.109,94.415 -2.15,94.415 cw(c-2.151,92.414) -0.15,92.415 -0.15,39.04 -4.241,39.04 ccw(c-4.241,37.79) -4.241,36.54 -0.15,36.54 ; -102.203,0.204 cw(c-99.088,-0.72) -99.087,2.529 -98.833,2.529 ccw(c-98.832,3.253) -98.32,2.741 cw(c-95.875,0.159) -92.375,0.786 ccw(c-91.805,0.785) -91.804,0.215 -55.146,0.215 ccw(c-55.147,0.772) -54.59,0.771 cw(c-49.631,0.001) -44.672,0.771 ccw(c-44.115,0.772) -44.116,0.215 -22.772,0.215 ccw(c-22.771,0.785) -22.201,0.786 cw(c-18.701,0.16) -16.234,2.72 ccw(c-15.799,3.155) -15.8,2.54 -12.225,2.54 cw(c-12.224,-0.709) -9.109,0.215 -2.15,0.215 ccw(c-2.151,2.216) -0.15,2.215 -0.15,36.543
Prophet:
  drawing of 455 lines, arcs and shapes, not listed
  text "PROPHET" at -20.347,93.6 h0.5
Plain60 - Flex:
  drawing of 558 lines, arcs and shapes, not listed
  text "PLAIN60" at -19.839,93.6 h0.5
Voyager60:
  drawing of 1064 lines, arcs and shapes, not listed
  text "VOYAGER60" at -20.474,93.6 h0.5
ArcticPCB:
  drawing of 445 lines, arcs and shapes, not listed
  text "ARCTICPCB" at -19.966,93.6 h0.5
GH60:
  drawing of 762 lines, arcs and shapes, not listed
  text "GH60" at -19.204,93.6 h0.5
Polaris:
  circle w0.013: c-9.15,85.415 r2.5
  lines w0.013: -22.675,97.915 -14.675,97.915 ; -18.675,96.415 -18.675,97.915 ; -15.65,78.415 -2.65,92.415 ; -284.45,1.715 ccw(c-282.7,1.715) -282.7,-0.035 -2.3,-0.035 ccw(c-2.3,1.715) -0.55,1.715 -0.55,92.915 ccw(c-2.3,92.915) -2.3,94.665 -12.5,94.665 cw(c-12.5,95.665) -13.492,95.54 ccw(c-14.484,95.415) -14.484,96.415 -22.866,96.415 ccw(c-22.866,95.415) -23.858,95.54 cw(c-24.85,95.665) -24.85,94.665 -282.7,94.665 ccw(c-282.7,92.915) -284.45,92.915 -284.45,1.715
  lines w0.1: -18.675,90 -18.675,93
  text "POLARIS" at -20.22,93.6 h0.5
Tsuki:
  drawing of 725 lines, arcs and shapes, not listed
  text "TSUKI" at -18.823,93.6 h0.5

## Dimensions
-0.15,92.415 to -284.85,92.415 on top dimensions
-9.15,0.215 to -7.177,94.415 on top dimensions
-0.15,92.415 to -284.85,92.415 on bot dimensions
-9.15,0.215 to -2.15,94.415 on bot dimensions

## Text inside footprints (layer, text, board x,y; h text height)
CON301: Mechanical 15 "connector edge" at -15.25,95.5 h1 r180
D518: Top Overlay "A" at -18.556,47.569 h0.75
S261: Mehanical 16 "7U" at -208.331,7.365 h1.52 r270; Mehanical 16 "6.25U" at -188.764,5.615 h1.52 r270